# Altium PCB UmTRXv2.PcbDoc (part 10 of 25)
Units mm, origin at the board's own origin, x right, y up, seen from the top; angles counter-clockwise.
Board outline 159.5 x 99.5 mm, 6 copper layers (Top Layer, GND, MidLayer1, Mid-Layer 2, InternalPlane2, Bottom Layer), stack 1.526 mm thick; 708 components, 578 nets, 2802 pads, 1408 vias.
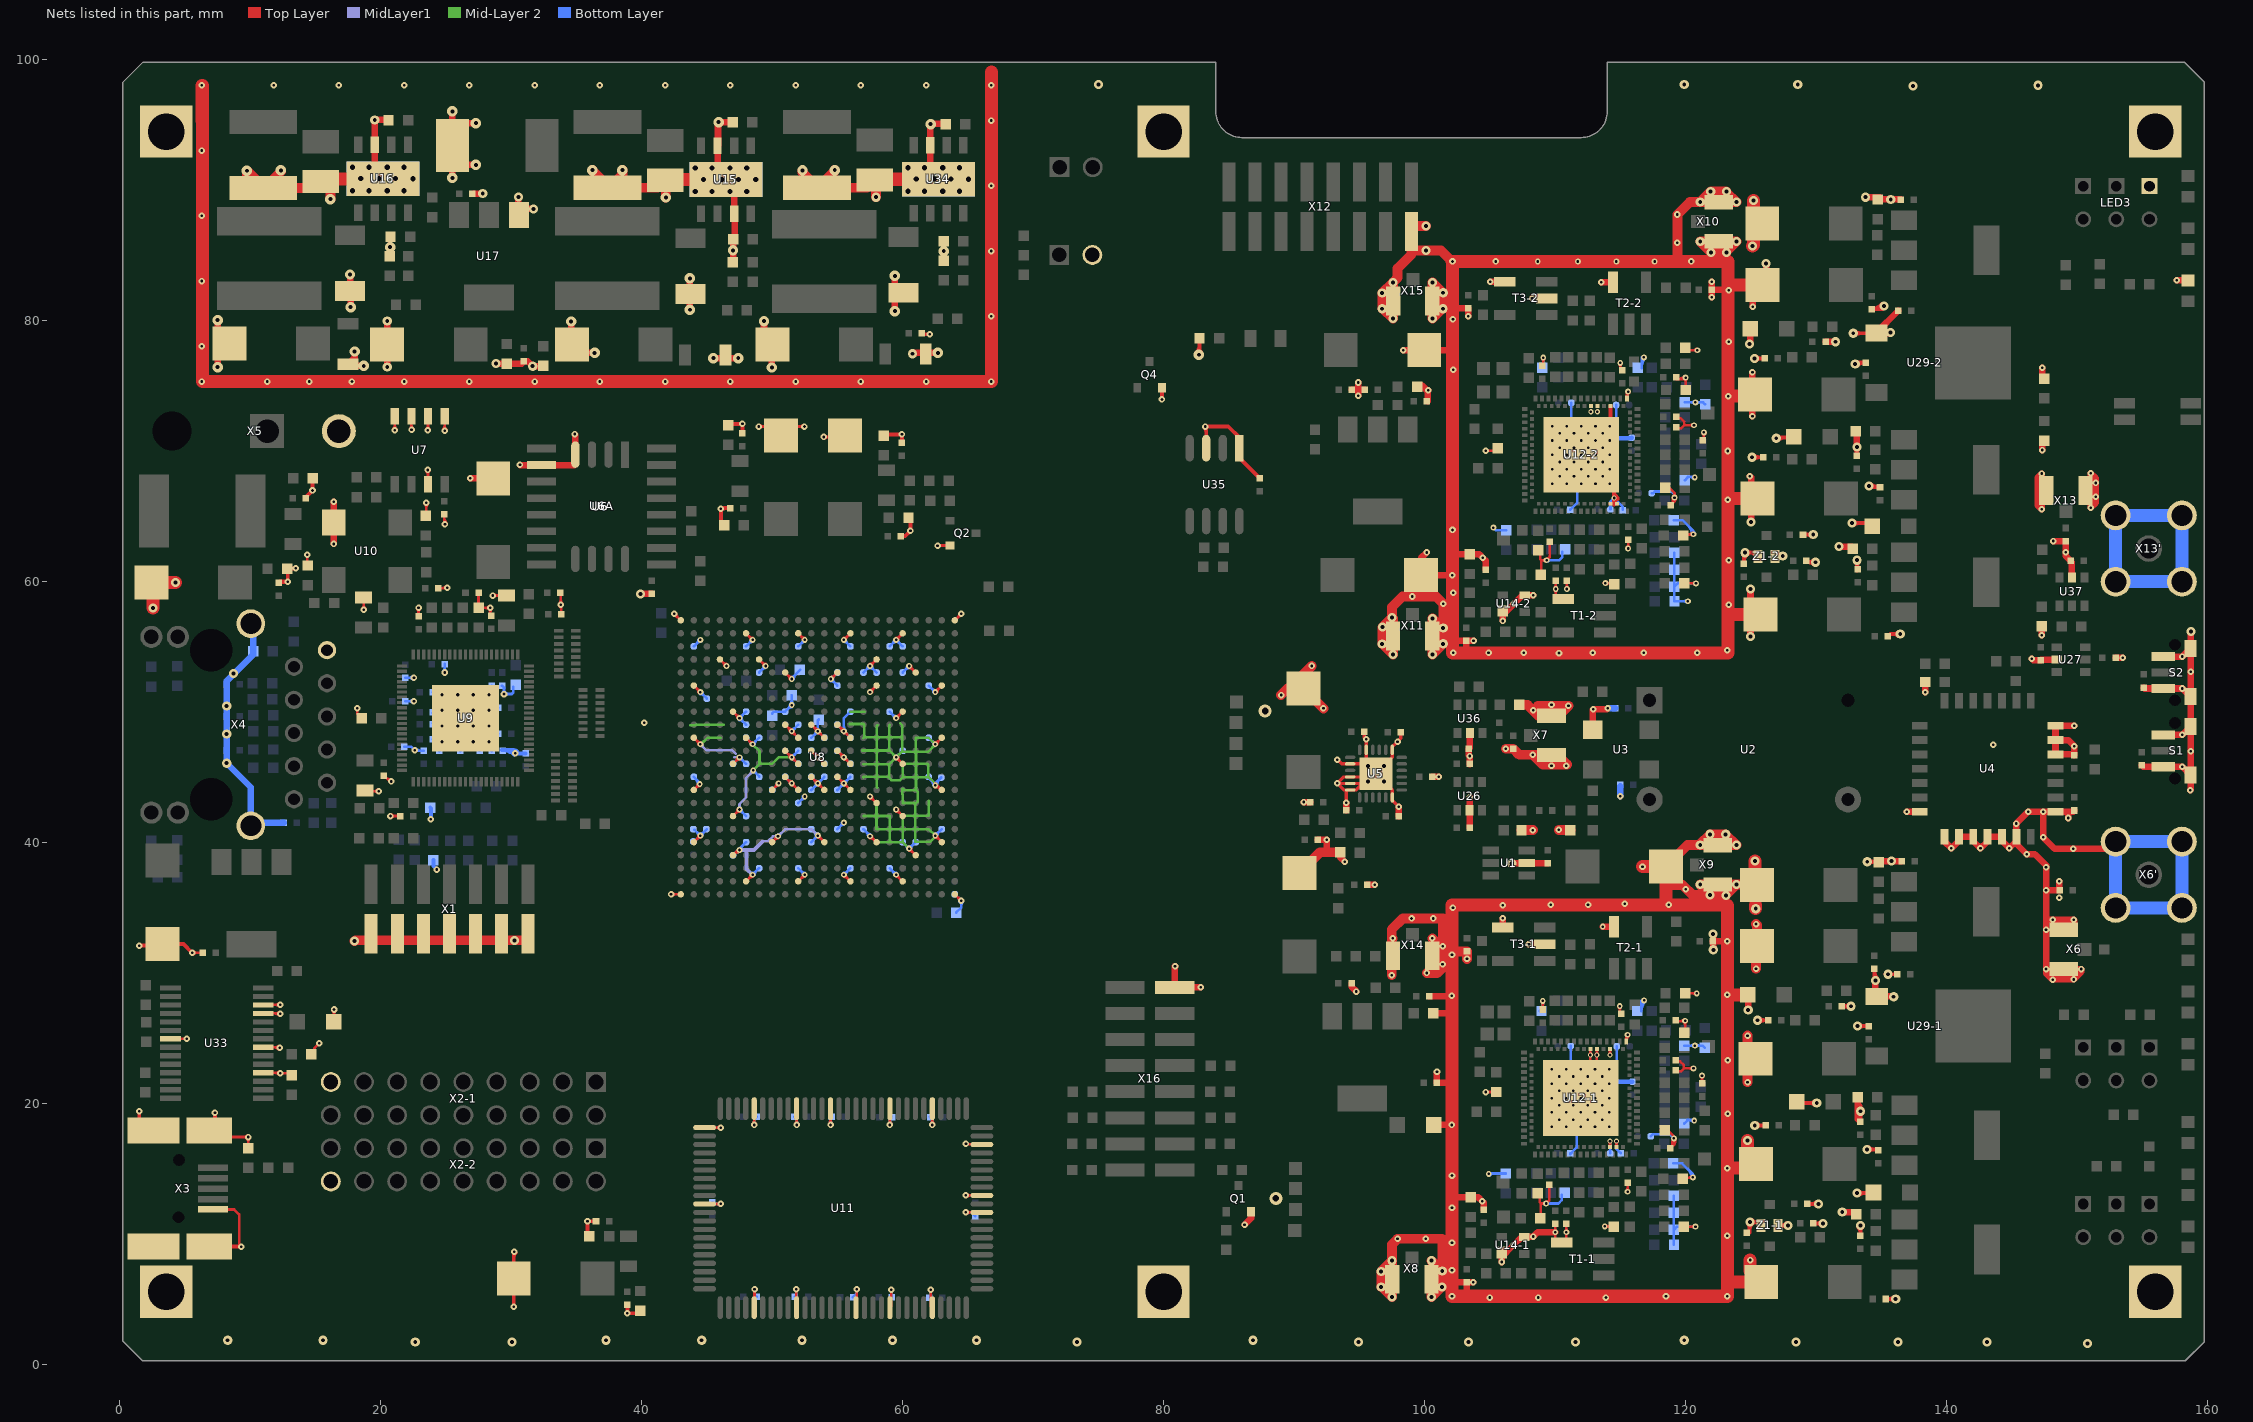
[diagram p14: the nets of this part, all layers, seen from the top]

## Via types
v1: diameter 0.5, hole 0.2, Top Layer to Bottom Layer, tented both sides, 441 vias
v2: diameter 0.45, hole 0.2, Top Layer to Bottom Layer, tented both sides, 429 vias
v3: diameter 0.7, hole 0.3, Top Layer to Bottom Layer, tented both sides, 258 vias
v4: diameter 0.4, hole 0.2, Top Layer to Bottom Layer, tented both sides, 197 vias
v5: diameter 0.8, hole 0.3, Top Layer to Bottom Layer, tented both sides, 61 vias
v6: diameter 0.6, hole 0.25, Top Layer to Bottom Layer, tented both sides, 16 vias
v7: diameter 0.6, hole 0.3, Top Layer to Bottom Layer, tented both sides, 4 vias
v8: diameter 1, hole 0.5, Top Layer to Bottom Layer, tented both sides, 2 vias

## Nets (pads, with @x,y where several pads share a name; then routed paths per layer and width w, separated by ;. In a path a pad name is that pad's centre, name@x,y a point inside that pad or via, vN(x,y) a via of type N, cw(c..) or ccw(c..) an arc to the next point about the centre after c; other vN are vias at no path point) (continued)
GND: (continued)
  Top Layer w0.2: v2@119.912,75.512 cw(c119.698,75.298) 120,75.298 ; 119.961,26.006 cw(c120.263,26.006) v2@120.049,26.22 ; 119.961,26.006 cw(c120.263,26.006) v2@120.049,26.22 ; 119.961,26.006 cw(c120.263,26.006) v2@120.049,26.22 ; 120,75.298 cw(c120.302,75.298) v2@120.088,75.512 ; 120,75.298 cw(c120.302,75.298) v2@120.088,75.512 ; 120,75.298 cw(c120.302,75.298) v2@120.088,75.512 ; 120.211,14.288 ccw(c120.211,14.659) v2@120.473,14.397 ; 120.211,14.288 ccw(c120.211,14.659) v2@120.473,14.397 ; 120.211,14.288 ccw(c120.211,14.659) v2@120.473,14.397 ; 120.25,63.58 ccw(c120.25,63.95) v2@120.512,63.688 ; 120.25,63.58 ccw(c120.25,63.95) v2@120.512,63.688 ; 120.25,63.58 ccw(c120.25,63.95) v2@120.512,63.688 ; 120.308,14.288 cw(c120.308,14.055) v2@120.473,14.22 ; 120.308,14.288 cw(c120.308,14.055) v2@120.473,14.22 ; 120.308,14.288 cw(c120.308,14.055) v2@120.473,14.22 ; 120.309,22.658 ccw(c120.309,22.96) v2@120.523,22.747 ; 120.309,22.658 cw(c120.309,22.356) v2@120.523,22.57 ; 120.309,22.658 ccw(c120.309,22.96) v2@120.523,22.747 ; 120.309,22.658 ccw(c120.309,22.96) v2@120.523,22.747 ; 120.309,22.658 cw(c120.309,22.356) v2@120.523,22.57 ; 120.309,22.658 cw(c120.309,22.356) v2@120.523,22.57 ; 120.347,63.58 cw(c120.347,63.347) v2@120.512,63.512 ; 120.347,63.58 cw(c120.347,63.347) v2@120.512,63.512 ; 120.347,63.58 cw(c120.347,63.347) v2@120.512,63.512 ; 120.348,71.95 cw(c120.348,71.648) v2@120.562,71.862 ; 120.348,71.95 ccw(c120.348,72.252) v2@120.562,72.038 ; 120.348,71.95 cw(c120.348,71.648) v2@120.562,71.862 ; 120.348,71.95 ccw(c120.348,72.252) v2@120.562,72.038 ; 120.348,71.95 ccw(c120.348,72.252) v2@120.562,72.038 ; 120.348,71.95 cw(c120.348,71.648) v2@120.562,71.862 ; 120.455,10.538 ccw(c120.455,10.84) v2@120.669,10.626 ; 120.455,10.538 cw(c120.455,10.236) v2@120.669,10.45 ; 120.455,10.538 ccw(c120.455,10.84) v2@120.669,10.626 ; 120.455,10.538 ccw(c120.455,10.84) v2@120.669,10.626 ; 120.455,10.538 cw(c120.455,10.236) v2@120.669,10.45 ; 120.455,10.538 cw(c120.455,10.236) v2@120.669,10.45 ; 120.494,59.83 ccw(c120.494,60.132) v2@120.708,59.918 ; 120.494,59.83 cw(c120.494,59.528) v2@120.708,59.741 ; 120.494,59.83 ccw(c120.494,60.132) v2@120.708,59.918 ; 120.494,59.83 ccw(c120.494,60.132) v2@120.708,59.918 ; 120.494,59.83 cw(c120.494,59.528) v2@120.708,59.741 ; 120.494,59.83 cw(c120.494,59.528) v2@120.708,59.741 ; 120.559,28.408 ccw(c120.559,28.71) v2@120.773,28.497 ; 120.559,28.408 ccw(c120.559,28.71) v2@120.773,28.497 ; 120.559,28.408 ccw(c120.559,28.71) v2@120.773,28.497 ; 120.559,28.408 cw(c120.559,28.106) v2@120.773,28.32 ; 120.559,28.408 cw(c120.559,28.106) v2@120.773,28.32 ; 120.559,28.408 cw(c120.559,28.106) v2@120.773,28.32 ; 120.598,77.7 ccw(c120.598,78.002) v2@120.812,77.788 ; 120.598,77.7 ccw(c120.598,78.002) v2@120.812,77.788 ; 120.598,77.7 ccw(c120.598,78.002) v2@120.812,77.788 ; 120.598,77.7 cw(c120.598,77.398) v2@120.812,77.612 ; 120.598,77.7 cw(c120.598,77.398) v2@120.812,77.612 ; 120.598,77.7 cw(c120.598,77.398) v2@120.812,77.612 ; v2@121.173,22.02 cw(c120.959,21.806) 121.261,21.806 ; v2@121.173,22.02 cw(c120.959,21.806) 121.261,21.806 ; v2@121.173,22.02 cw(c120.959,21.806) 121.261,21.806 ; 121.261,21.806 cw(c121.563,21.806) v2@121.349,22.02 ; 121.261,21.806 cw(c121.563,21.806) v2@121.349,22.02 ; 121.261,21.806 cw(c121.563,21.806) v2@121.349,22.02 ; v2@121.312,71.312 cw(c121.098,71.098) 121.4,71.098 ; v2@121.312,71.312 cw(c121.098,71.098) 121.4,71.098 ; v2@121.312,71.312 cw(c121.098,71.098) 121.4,71.098 ; 121.4,71.098 cw(c121.702,71.098) v2@121.488,71.312 ; 121.4,71.098 cw(c121.702,71.098) v2@121.488,71.312 ; 121.4,71.098 cw(c121.702,71.098) v2@121.488,71.312 ; v1@42.505,57.35 cw(c42.516,57.027) 42.75,57.25 ccw(c42.516,57.027) v1@42.505,57.35 ; U8.D18@47.116,39.116 cw(c47.5,38.732) 47.5,39.275 ccw(c47.5,38.732) U8.D18@47.116,39.116 ; v2@57.5,40.325 cw(c57.5,39.902) 57.799,40.201 ccw(c57.5,39.902) v2@57.5,40.325 ; v2@62.5,44.225 cw(c62.5,43.561) 62.97,44.03 ccw(c62.5,43.561) v2@62.5,44.225 ; 119.579,26.275 ccw(c119.579,26.69) 119.873,26.397 cw(c119.579,26.69) 119.579,26.275
  Top Layer w0.25: v1(62.675,62.725) Q2.2@63.625,62.725 ; v1(93.3,46.325) 93.325,46.325 93.65,46 U5.2@94.3,46 U5.0@95.525,46 ; 93.8,44 v1(93.3,44.5) ; v1@93.987,43.012 93.987,43.937 94.05,44 U5.6@94.3,44 94.759,44 U5.0@95.259,44.5 ; C21.2@95.375,48.45 95.375,47.975 v1@95.525,47.825 ; v1(95.525,47.875) v1@95.525,47.825 ; v7(96.875,45.85) 97.525,46.5 U5.19@97.525,47.075 97.525,47.3 v1(97.925,47.7) 98.175,47.95 C20.2@98.175,48.425 ; v1(98.025,42.7) 97.525,43.2 U5.12@97.525,43.425 97.525,44 U5.0@96.275,45.25 ; X12.15@99,85.35 X12.15@99,86.8 X12.15@99,87.225 ; v1(93.3,44.5) 93.8,45 U5.4@94.3,45 U5.0@95.759,45 ; v1(93.3,44.5) U5.5@94.3,44.5 U5.0@95.259,44.5 ; U5.0@95.259,44.5 U5.0@95.759,45 ; U5.0@95.259,44.5 95.525,44.5 v7(95.675,44.65) U5.0@96.025,45 ; U5.0@95.525,46 U5.0@96.275,45.25 ; U5.0@95.525,46 U5.23@95.525,47.075 v1@95.525,47.825 ; U5.0@95.759,45 96.009,45.25 U5.0@96.275,45.25 ; U5.0@95.759,45 U5.0@96.025,45 ; U5.0@96.025,45 U5.0@96.275,45.25
  Top Layer w0.3: v1(1.5,19.375) 1.5,18.15 1.725,17.925 X3.0@2.375,17.925 ; v1(1.5,32.075) 3.15,32.075 C171.2@3.275,32.2 4.875,32.2 v1(5.55,31.525) ; X3.0@2.35,9.5 X3.0@2.85,9 ; X3.0@2.85,17.9 X3.0@2.95,18 ; X3.0@7.1,9 9.15,9 v1(9.3,9) ; v1(7.3,19.25) 7.3,17.725 X3.0@7.625,17.4 ; v1(12.875,59.95) 12.875,60.975 v1(13.5,60.975) ; C144.2@14.283,66.375 14.2,66.375 v1(14.775,66.95) C152.2@14.775,67.65 ; R132.2@20.725,84.9 v5(20.725,85.6) v5@20.725,85.95 ; v1(30.2,4.4) C168.2@30.2,6.55 30.2,8.55 v1(30.25,8.6) ; C153.2@36,9.8 35.85,9.95 v1(35.85,10.95) C145.2@36.5,10.95 ; C158.2@38.9,4.55 v1(38.9,3.9) 39.7,3.9 C164.2@39.9,4.1 ; C162.2@46.325,64.3 46.075,64.55 v1(46.075,65.55) 46.025,65.6 C156.2@46.775,65.6 ; C151.2@46.625,71.95 46.725,72.05 v1(47.725,72.05) C143.2@47.725,71.4 ; C150.2@58.55,71.15 58.65,71.25 v1(59.95,71.25) C147.2@59.95,70.6 ; C159.2@59.85,63.45 60.2,63.45 v1(60.6,63.85) 60.6,64.7 C161.2@60.45,64.85 ; v3(60.75,77.425) C261.2@61.75,77.425 ; C113.2@61.475,78.925 v1(62.075,78.925) ; R169.2@63.15,84.45 v5(63.15,85.3) C266.2@63.15,86.05 ; v1(79.875,73.925) Q4.2@79.875,74.825 ; v5(82.7,77.35) 82.75,77.4 C269.2@82.75,78.6 ; v1(83.2,71.85) 84.95,71.85 85.8,71 U35.1@85.8,70.197 85.8,69.45 C279.2@87.35,67.9 ; U35.3@83.265,70.191 v1@83.265,71.785 ; U12-2.53@114.246,65.93 114.5,65.93 ; U12-2.93@114.246,73.43 114.246,72.3 U12-2.0@111.996,69.68 114.55,66.95 U12-2.0@114.5,66.9 ; 114.606,66.155 ccw(c114.415,66.368) 114.7,66.353 ccw(c114.415,66.366) 114.626,66.558 ; U12-2.55@114.746,65.93 114.5,65.93 ; C46-2.2@124.49,61.376 124.49,62.064 124.46,62.094 v3(124.547,62.181) 125.135,62.181 Z1-2.2@125.39,61.926 ; v3@124.86,10.799 v3(124.947,10.886) 125.535,10.886 Z1-1.2@125.79,10.631 ; C46-1.2@124.89,10.081 v3@124.89,10.769 ; v3(125.101,69.494) C49-2.2@125.944,69.494 ; v3(125.275,77.066) C47-2.2@126.096,77.066 ; v3(125.301,18.295) C49-1.2@126.144,18.295 ; v3(125.525,26.353) C47-1.2@126.346,26.353 ; Z1-2.2@126.69,61.926 127.443,61.926 v3(127.448,61.921) ; v3(126.95,70.95) 127,71 C66-2.2@128.3,71 ; Z1-1.2@127.09,10.631 127.843,10.631 v3(127.848,10.626) ; C66-1.2@128.7,20 v3(130.05,20) ; C44-2.2@128.94,63.576 129.779,63.576 v3(129.788,63.567) ; C48-2.2@129.264,61.45 v3(129.95,61.45) ; C44-1.2@129.34,12.281 130.179,12.281 v3(130.188,12.272) ; v3@129.726,61.376 129.744,61.358 v3@129.787,61.358 ; C48-1.2@129.79,10.781 130.476,10.781 130.494,10.763 v3(130.538,10.763) ; C50-1.2@131.964,27.424 132.634,27.424 v3(132.677,27.424) ; v3(132.75,64.45) 134.05,64.45 C65-2.2@134.3,64.2 ; v3(132.85,79) 135.65,79 v3(135.7,79.05) ; v3@132.965,70.184 v3@132.983,70.202 ; v3@133.094,76.758 C55-2.2@133.85,76.758 ; C71-2.2@133.125,69.575 C71-2.2@133.125,69.6 v3(133.125,70.275) v3@133.125,70.358 ; C70-2.2@133.14,60.826 133.14,61.519 133.143,61.521 v3(133.143,61.608) ; v3(133.15,13.1) C65-1.2@134.4,13.1 ; v3(133.166,25.92) 133.188,25.898 C55-1.2@133.944,25.898 ; v3@133.2,19.377 v3(133.408,19.377) 133.39,19.36 C71-1.2@133.39,18.577 ; C70-1.2@133.39,9.831 133.39,10.523 133.393,10.526 v3(133.393,10.612) ; v3(133.9,16.45) 134.7,16.45 C57-1.2@134.75,16.4 ; v3(133.925,38.5) 134.098,38.5 R98-1.1@134.768,38.5 ; v3(134.05,67.3) 134.15,67.2 C57-2.2@134.9,67.2 ; C58-1.2@134.477,30.311 134.477,29.473 v3(134.55,29.4) ; v3@135.093,80.85 C58-2.2@134.25,80.85 ; v3@135.325,29.875 v3(135.5,29.875) C69-1.2@136.225,29.875 ; C56-1.2@135.348,4.989 v3(136.104,4.989) ; C56-2.2@135.698,55.944 v3(136.454,55.944) ; 30.2,8.238 cw(c30.612,8.238) v1@30.321,8.529 ; 30.2,8.238 cw(c30.612,8.238) v1@30.321,8.529 ; 30.2,8.238 cw(c30.612,8.238) v1@30.321,8.529 ; v1@46.146,65.479 cw(c46.437,65.188) 46.437,65.6 ; v1@46.146,65.479 cw(c46.437,65.188) 46.437,65.6 ; v1@46.146,65.479 cw(c46.437,65.188) 46.437,65.6 ; v3@60.891,77.284 cw(c61.233,76.942) 61.233,77.425 ; v3@60.891,77.284 cw(c61.233,76.942) 61.233,77.425 ; v3@60.891,77.284 cw(c61.233,76.942) 61.233,77.425 ; v3@60.891,77.566 ccw(c61.233,77.908) 61.233,77.425 ; v3@60.891,77.566 ccw(c61.233,77.908) 61.233,77.425 ; v3@60.891,77.566 ccw(c61.233,77.908) 61.233,77.425 ; v5@82.523,77.527 ccw(c81.976,78.074) 82.75,78.074 ; v5@82.523,77.527 ccw(c81.976,78.074) 82.75,78.074 ; v5@82.523,77.527 ccw(c81.976,78.074) 82.75,78.074 ; 82.75,77.833 ccw(c83.183,77.833) v5@82.877,77.527 ; 82.75,77.833 ccw(c83.183,77.833) v5@82.877,77.527 ; 82.75,77.833 ccw(c83.183,77.833) v5@82.877,77.527 ; v1@83.129,71.779 cw(c82.802,71.452) 83.265,71.452 ; v1@83.129,71.779 cw(c82.802,71.452) 83.265,71.452 ; v1@83.129,71.779 cw(c82.802,71.452) 83.265,71.452 ; 114.5,65.93 U12-2.0@114.5,66.9 ; U12-2.0@114.5,66.9 ccw(c115.104,66.9) 114.777,66.392 cw(c115.104,66.9) U12-2.0@114.5,66.9 ; v3@124.405,62.04 cw(c124.2,61.835) 124.49,61.835 ; v3@124.405,62.04 cw(c124.2,61.835) 124.49,61.835 ; v3@124.405,62.04 cw(c124.2,61.835) 124.49,61.835 ; C46-2.2@124.49,61.562 cw(c125.166,61.562) v3@124.688,62.04 ; C46-2.2@124.49,61.562 cw(c125.166,61.562) v3@124.688,62.04 ; C46-2.2@124.49,61.562 cw(c125.166,61.562) v3@124.688,62.04 ; v3@124.688,62.04 cw(c125.03,61.698) 125.03,62.181 ; v3@124.688,62.04 cw(c125.03,61.698) 125.03,62.181 ; v3@124.688,62.04 cw(c125.03,61.698) 125.03,62.181 ; v3@124.688,62.323 ccw(c125.03,62.664) 125.03,62.181 ; v3@124.688,62.323 ccw(c125.03,62.664) 125.03,62.181 ; v3@124.688,62.323 ccw(c125.03,62.664) 125.03,62.181 ; v3@124.805,10.744 cw(c124.6,10.539) 124.89,10.539 ; v3@124.805,10.744 cw(c124.6,10.539) 124.89,10.539 ; v3@124.805,10.744 cw(c124.6,10.539) 124.89,10.539 ; C46-1.2@124.89,10.266 cw(c125.566,10.266) v3@125.088,10.744 ; C46-1.2@124.89,10.266 cw(c125.566,10.266) v3@125.088,10.744 ; C46-1.2@124.89,10.266 cw(c125.566,10.266) v3@125.088,10.744 ; v3@125.088,10.744 cw(c125.43,10.403) 125.43,10.886 ; v3@125.088,10.744 cw(c125.43,10.403) 125.43,10.886 ; v3@125.088,10.744 cw(c125.43,10.403) 125.43,10.886 ; v3@125.088,11.027 ccw(c125.43,11.369) 125.43,10.886 ; v3@125.088,11.027 ccw(c125.43,11.369) 125.43,10.886 ; v3@125.088,11.027 ccw(c125.43,11.369) 125.43,10.886 ; v3@125.243,69.353 cw(c125.584,69.011) 125.584,69.494 ; v3@125.243,69.353 cw(c125.584,69.011) 125.584,69.494 ; v3@125.243,69.353 cw(c125.584,69.011) 125.584,69.494 ; v3@125.243,69.635 ccw(c125.584,69.977) 125.584,69.494 ; v3@125.243,69.635 ccw(c125.584,69.977) 125.584,69.494 ; v3@125.243,69.635 ccw(c125.584,69.977) 125.584,69.494 ; v3@125.416,76.924 cw(c125.758,76.582) 125.758,77.066 ; v3@125.416,76.924 cw(c125.758,76.582) 125.758,77.066 ; v3@125.416,76.924 cw(c125.758,76.582) 125.758,77.066 ; v3@125.416,77.207 ccw(c125.757,77.548) 125.757,77.066 ; v3@125.416,77.207 ccw(c125.757,77.548) 125.757,77.066 ; v3@125.416,77.207 ccw(c125.757,77.548) 125.757,77.066 ; v3@125.443,18.153 cw(c125.784,17.812) 125.784,18.295 ; v3@125.443,18.153 cw(c125.784,17.812) 125.784,18.295 ; v3@125.443,18.153 cw(c125.784,17.812) 125.784,18.295 ; v3@125.443,18.436 ccw(c125.784,18.778) 125.784,18.295 ; v3@125.443,18.436 ccw(c125.784,18.778) 125.784,18.295 ; v3@125.443,18.436 ccw(c125.784,18.778) 125.784,18.295 ; v3@125.666,26.211 cw(c126.008,25.869) 126.008,26.353 ; v3@125.666,26.211 cw(c126.008,25.869) 126.008,26.353 ; v3@125.666,26.211 cw(c126.008,25.869) 126.008,26.353 ; v3@125.666,26.494 ccw(c126.007,26.835) 126.007,26.353 ; v3@125.666,26.494 ccw(c126.007,26.835) 126.007,26.353 ; v3@125.666,26.494 ccw(c126.007,26.835) 126.007,26.353 ; Z1-2.2@126.953,61.926 cw(c126.953,61.426) v3@127.307,61.78 ; Z1-2.2@126.953,61.926 cw(c126.953,61.426) v3@127.307,61.78 ; Z1-2.2@126.953,61.926 cw(c126.953,61.426) v3@127.307,61.78 ; Z1-2.2@126.978,61.926 ccw(c126.978,62.391) v3@127.307,62.062 ; Z1-2.2@126.978,61.926 ccw(c126.978,62.391) v3@127.307,62.062 ; Z1-2.2@126.978,61.926 ccw(c126.978,62.391) v3@127.307,62.062 ; v3@127.091,70.809 cw(c127.554,70.346) 127.554,71 ; v3@127.091,70.809 cw(c127.554,70.346) 127.554,71 ; v3@127.091,70.809 cw(c127.554,70.346) 127.554,71 ; v3@127.091,71.091 ccw(c127.312,71.312) 127.312,71 ; v3@127.091,71.091 ccw(c127.312,71.312) 127.312,71 ; v3@127.091,71.091 ccw(c127.312,71.312) 127.312,71 ; Z1-1.2@127.353,10.631 cw(c127.353,10.13) v3@127.707,10.484 ; Z1-1.2@127.353,10.631 cw(c127.353,10.13) v3@127.707,10.484 ; Z1-1.2@127.353,10.631 cw(c127.353,10.13) v3@127.707,10.484 ; Z1-1.2@127.378,10.631 ccw(c127.378,11.096) v3@127.707,10.767 ; Z1-1.2@127.378,10.631 ccw(c127.378,11.096) v3@127.707,10.767 ; Z1-1.2@127.378,10.631 ccw(c127.378,11.096) v3@127.707,10.767 ; 129.283,63.576 cw(c129.283,63.062) v3@129.646,63.426 ; 129.283,63.576 cw(c129.283,63.062) v3@129.646,63.426 ; 129.283,63.576 cw(c129.283,63.062) v3@129.646,63.426 ; 129.327,63.576 ccw(c129.327,64.028) v3@129.646,63.709 ; 129.327,63.576 ccw(c129.327,64.028) v3@129.646,63.709 ; 129.327,63.576 ccw(c129.327,64.028) v3@129.646,63.709 ; C48-2.2@129.467,61.45 ccw(c129.467,61.933) v3@129.809,61.591 ; C48-2.2@129.467,61.45 ccw(c129.467,61.933) v3@129.809,61.591 ; C48-2.2@129.467,61.45 ccw(c129.467,61.933) v3@129.809,61.591 ; C48-2.2@129.467,61.45 cw(c129.467,60.967) v3@129.809,61.309 ; C48-2.2@129.467,61.45 cw(c129.467,60.967) v3@129.809,61.309 ; C48-2.2@129.467,61.45 cw(c129.467,60.967) v3@129.809,61.309 ; 129.567,20 ccw(c129.567,20.483) v3@129.909,20.141 ; 129.567,20 ccw(c129.567,20.483) v3@129.909,20.141 ; 129.567,20 ccw(c129.567,20.483) v3@129.909,20.141 ; 129.567,20 cw(c129.567,19.517) v3@129.909,19.859 ; 129.567,20 cw(c129.567,19.517) v3@129.909,19.859 ; 129.567,20 cw(c129.567,19.517) v3@129.909,19.859 ; 129.683,12.281 cw(c129.683,11.767) v3@130.046,12.13 ; 129.683,12.281 cw(c129.683,11.767) v3@130.046,12.13 ; 129.683,12.281 cw(c129.683,11.767) v3@130.046,12.13 ; 129.727,12.281 ccw(c129.727,12.733) v3@130.046,12.413 ; 129.727,12.281 ccw(c129.727,12.733) v3@130.046,12.413 ; 129.727,12.281 ccw(c129.727,12.733) v3@130.046,12.413 ; C48-1.2@130.011,10.781 cw(c130.011,10.236) v3@130.396,10.621 ; C48-1.2@130.011,10.781 cw(c130.011,10.236) v3@130.396,10.621 ; C48-1.2@130.011,10.781 cw(c130.011,10.236) v3@130.396,10.621 ; 130.098,10.781 ccw(c130.098,11.202) v3@130.396,10.904 ; 130.098,10.781 ccw(c130.098,11.202) v3@130.396,10.904 ; 130.098,10.781 ccw(c130.098,11.202) v3@130.396,10.904 ; C50-1.2@132.194,27.424 cw(c132.194,26.941) v3@132.536,27.283 ; C50-1.2@132.194,27.424 cw(c132.194,26.941) v3@132.536,27.283 ; C50-1.2@132.194,27.424 ccw(c132.194,27.907) v3@132.536,27.566 ; C50-1.2@132.194,27.424 ccw(c132.194,27.907) v3@132.536,27.566 ; C50-1.2@132.194,27.424 cw(c132.194,26.941) v3@132.536,27.283 ; C50-1.2@132.194,27.424 ccw(c132.194,27.907) v3@132.536,27.566 ; v3@132.891,64.309 cw(c133.233,63.967) 133.233,64.45 ; v3@132.891,64.309 cw(c133.233,63.967) 133.233,64.45 ; v3@132.891,64.309 cw(c133.233,63.967) 133.233,64.45 ; v3@132.891,64.591 ccw(c133.233,64.933) 133.233,64.45 ; v3@132.891,64.591 ccw(c133.233,64.933) 133.233,64.45 ; v3@132.891,64.591 ccw(c133.233,64.933) 133.233,64.45 ; v3@132.984,70.134 cw(c132.642,69.792) C71-2.2@133.125,69.792 ; v3@132.984,70.134 cw(c132.642,69.792) C71-2.2@133.125,69.792 ; v3@132.984,70.134 cw(c132.642,69.792) C71-2.2@133.125,69.792 ; v3@132.991,78.859 cw(c133.333,78.517) 133.333,79 ; v3@132.991,78.859 cw(c133.333,78.517) 133.333,79 ; v3@132.991,78.859 cw(c133.333,78.517) 133.333,79 ; v3@132.991,79.141 ccw(c133.333,79.483) 133.333,79 ; v3@132.991,79.141 ccw(c133.333,79.483) 133.333,79 ; v3@132.991,79.141 ccw(c133.333,79.483) 133.333,79 ; v3@133.001,61.466 cw(c132.665,61.131) C70-2.2@133.14,61.131 ; v3@133.001,61.466 cw(c132.665,61.131) C70-2.2@133.14,61.131 ; v3@133.001,61.466 cw(c132.665,61.131) C70-2.2@133.14,61.131 ; C71-2.2@133.125,69.792 cw(c133.608,69.792) v3@133.266,70.134 ; C71-2.2@133.125,69.792 cw(c133.608,69.792) v3@133.266,70.134 ; C71-2.2@133.125,69.792 cw(c133.608,69.792) v3@133.266,70.134 ; C70-2.2@133.14,61.119 cw(c133.631,61.119) v3@133.284,61.466 ; C70-2.2@133.14,61.119 cw(c133.631,61.119) v3@133.284,61.466 ; C70-2.2@133.14,61.119 cw(c133.631,61.119) v3@133.284,61.466 ; v3@133.141,76.509 cw(c133.744,75.906) C55-2.2@133.744,76.758 ; v3@133.141,76.509 cw(c133.744,75.906) C55-2.2@133.744,76.758 ; v3@133.141,76.509 cw(c133.744,75.906) C55-2.2@133.744,76.758 ; v3@133.251,10.471 cw(c132.915,10.135) 133.39,10.135 ; v3@133.251,10.471 cw(c132.915,10.135) 133.39,10.135 ; v3@133.251,10.471 cw(c132.915,10.135) 133.39,10.135 ; v3@133.266,19.236 cw(c132.967,18.936) 133.39,18.936 ; v3@133.266,19.236 cw(c132.967,18.936) 133.39,18.936 ; v3@133.266,19.236 cw(c132.967,18.936) 133.39,18.936 ; v3@133.291,12.959 cw(c133.633,12.617) 133.633,13.1 ; v3@133.291,12.959 cw(c133.633,12.617) 133.633,13.1 ; v3@133.291,12.959 cw(c133.633,12.617) 133.633,13.1 ; v3@133.291,13.241 ccw(c133.633,13.583) 133.633,13.1 ; v3@133.291,13.241 ccw(c133.633,13.583) 133.633,13.1 ; v3@133.291,13.241 ccw(c133.633,13.583) 133.633,13.1 ; v3@133.308,25.778 cw(c133.597,25.489) 133.597,25.898 ; v3@133.308,25.778 cw(c133.597,25.489) 133.597,25.898 ; v3@133.308,25.778 cw(c133.597,25.489) 133.597,25.898 ; v3@133.308,26.061 ccw(c133.701,26.455) 133.701,25.898 ; v3@133.308,26.061 ccw(c133.701,26.455) 133.701,25.898 ; v3@133.308,26.061 ccw(c133.701,26.455) 133.701,25.898 ; 133.39,10.124 cw(c133.881,10.124) v3@133.534,10.471 ; 133.39,10.124 cw(c133.881,10.124) v3@133.534,10.471 ; 133.39,10.124 cw(c133.881,10.124) v3@133.534,10.471 ; 133.39,18.853 cw(c133.932,18.853) v3@133.549,19.236 ; 133.39,18.853 cw(c133.932,18.853) v3@133.549,19.236 ; 133.39,18.853 cw(c133.932,18.853) v3@133.549,19.236 ; v3@134.041,16.309 cw(c134.383,15.967) 134.383,16.45 ; v3@134.041,16.309 cw(c134.383,15.967) 134.383,16.45 ; v3@134.041,16.309 cw(c134.383,15.967) 134.383,16.45 ; v3@134.041,16.591 ccw(c134.383,16.933) 134.383,16.45 ; v3@134.041,16.591 ccw(c134.383,16.933) 134.383,16.45 ; v3@134.041,16.591 ccw(c134.383,16.933) 134.383,16.45 ; v3@134.066,38.359 cw(c134.408,38.017) R98-1.1@134.408,38.5 ; v3@134.066,38.359 cw(c134.408,38.017) R98-1.1@134.408,38.5 ; v3@134.066,38.359 cw(c134.408,38.017) R98-1.1@134.408,38.5 ; v3@134.066,38.641 ccw(c134.408,38.983) R98-1.1@134.408,38.5 ; v3@134.066,38.641 ccw(c134.408,38.983) R98-1.1@134.408,38.5 ; v3@134.066,38.641 ccw(c134.408,38.983) R98-1.1@134.408,38.5 ; v3@134.191,67.441 ccw(c134.774,68.024) C57-2.2@134.774,67.2 ; v3@134.191,67.441 ccw(c134.774,68.024) C57-2.2@134.774,67.2 ; v3@134.191,67.441 ccw(c134.774,68.024) C57-2.2@134.774,67.2 ; C58-2.2@134.25,80.85 ccw(c134.25,81.878) v3@135.045,81.227 ; C58-2.2@134.25,80.85 ccw(c134.25,81.878) v3@135.045,81.227 ; C58-2.2@134.25,80.85 ccw(c134.25,81.878) v3@135.045,81.227 ; 134.477,30.059 ccw(c135.209,30.059) v3@134.691,29.541 ; 134.477,30.059 ccw(c135.209,30.059) v3@134.691,29.541 ; 134.477,30.059 ccw(c135.209,30.059) v3@134.691,29.541 ; 134.666,80.954 cw(c134.864,80.679) v3@135.075,80.944 ; 134.666,80.954 cw(c134.864,80.679) v3@135.075,80.944 ; 134.666,80.954 cw(c134.864,80.679) v3@135.075,80.944 ; 134.883,80.85 ccw(c134.883,81.359) v3@135.277,81.037 ; 134.883,80.85 ccw(c134.883,81.359) v3@135.277,81.037 ; 134.883,80.85 ccw(c134.883,81.359) v3@135.277,81.037 ; U29-2.1@135.096,79 ccw(c135.096,79.654) v3@135.559,79.191 ; U29-2.1@135.096,79 ccw(c135.096,79.654) v3@135.559,79.191 ; U29-2.1@135.096,79 ccw(c135.096,79.654) v3@135.559,79.191 ; U29-2.1@135.338,79 cw(c135.338,78.688) v3@135.559,78.909 ; U29-2.1@135.338,79 cw(c135.338,78.688) v3@135.559,78.909 ; U29-2.1@135.338,79 cw(c135.338,78.688) v3@135.559,78.909 ; 135.621,4.989 ccw(c135.621,5.472) v3@135.962,5.131 ; 135.621,4.989 ccw(c135.621,5.472) v3@135.962,5.131 ; 135.621,4.989 ccw(c135.621,5.472) v3@135.962,5.131 ; 135.621,4.989 cw(c135.621,4.507) v3@135.962,4.848 ; 135.621,4.989 cw(c135.621,4.507) v3@135.962,4.848 ; 135.621,4.989 cw(c135.621,4.507) v3@135.962,4.848 ; 135.971,55.944 ccw(c135.971,56.427) v3@136.312,56.086 ; 135.971,55.944 ccw(c135.971,56.427) v3@136.312,56.086 ; 135.971,55.944 ccw(c135.971,56.427) v3@136.312,56.086 ; 135.971,55.944 cw(c135.971,55.461) v3@136.312,55.803 ; 135.971,55.944 cw(c135.971,55.461) v3@136.312,55.803 ; 135.971,55.944 cw(c135.971,55.461) v3@136.312,55.803 ; 114.5,65.861 cw(c114.998,65.861) 114.773,66.305 ccw(c114.998,65.861) 114.5,65.861
  Top Layer w0.35: C157.2@12.175,59.875 12.25,59.95 v1(12.875,59.95)
  Top Layer w0.5: v5(7.5,76.4) 7.5,77.3 C140.2@8.4,78.2 7.5,79.1 v5(7.5,80) ; v1(16.4,62.85) 16.41,62.86 U10.2@16.41,64.5 16.41,66.09 v1(16.4,66.1) ; v5(17.65,83.5) D2.2@17.65,82.24 17.7,82.19 v5(17.7,81) ; v5(18,77.6) 18,77.125 C137.2@17.5,76.625 17.625,76.5 v5(18.7,76.5) ; U16.0@20.183,90.834 19.548,91.469 U16.7@19.548,93.439 v3(19.548,95.348) 19.575,95.375 20.475,95.375 R129.1@20.525,95.325 ; v3(20.5,76.425) C138.2@20.5,78.15 v3(20.5,79.925) ; v5(25.5,90.9) D4.1@25.5,91.9 ; v5(25.5,96) D4.1@25.5,95.1 ; v1(26.85,67.875) C38.2@28.625,67.875 ; C120.2@27.15,89.7 v3(27.825,89.7) ; v5(27.3,91.9) D4.1@25.5,91.9 ; v5(27.3,95.1) D4.1@25.5,95.1 ; v3@28.825,76.7 v3(28.85,76.675) C154.2@29.65,76.675 30.8,76.675 C148.2@30.975,76.85 31.275,76.85 v3(31.65,76.475) 32.45,76.475 R138.2@32.475,76.5 ; v3(30.55,89.45) 30.55,88.525 v3(31.725,88.525) ; v1@30.7,68.9 U6A.10@32.325,68.9 U6.4@34.85,68.9 ; v5(34.6,79.9) 34.6,78.175 C141.2@34.65,78.125 35.275,77.5 v5(36.4,77.5) ; U6.4@34.92,69.7 v1@34.92,71.23 ; v3(39.925,59.025) 39.95,59.05 C25.2@40.775,59.05 ; v5(43.7,80.8) v5(43.7,83.2) ; v5(45.5,77.1) v5(47.4,77.1) ; R128.1@46.8,95.175 v5(45.9,95.175) 45.85,95.125 45.85,93.415 U15.7@45.815,93.38 45.815,91.41 U15.0@46.45,90.775 47.085,90.14 U15.3@47.085,88.17 ; R131.2@47,84.5 47.015,84.515 C128.2@47.015,86.218 47.143,86.346 U15.3@47.143,88.129 ; v5(49.375,79.925) 49.375,78.575 49.975,77.975 v5(49.975,76.375) ; v5(59.4,80.7) v5(59.4,83.4) ; v3(60.75,77.425) 60.825,77.5 v5(62.7,77.5) ; U34.0@62.75,90.8 62.115,91.435 U34.7@62.115,93.405 62.125,93.415 62.125,95 v5(62.15,95.025) 62.175,95.05 R168.1@63.3,95.05 ; v1(80.875,30.5) 80.85,30.475 X16.15@80.85,28.875 v1(82.85,28.875) ; v1(86.2,10.675) 86.7,11.175 Q1.2@86.7,11.675 ; v1(90.725,43.075) 90.75,43.05 C18.2@91.25,43.05 ; C24.2@91.8,40.175 v1(92.5,40.175) ; 92.5,39.225 v1(92.5,40.175) ; C19.2@93.525,39.225 93.525,38.85 v1(93.875,38.5) ; C15.1@93.987,42.45 93.987,43.012 v1(94,43.025) ; C7.2@94.4,29.175 94.4,28.925 v1(94.775,28.55) ; C127.2@94.425,74.675 94.925,74.675 ; v1(94.925,74.2) 94.925,74.675 ; v1(94.925,75.225) 94.925,74.675 ; C139.2@95.4,74.675 94.925,74.675 ; C4.2@95.6,36.725 v1(96.175,36.725) ; C14.1@98.025,42 v1(98.025,42.7) ; v1(98.35,77.7) C125.2@99.975,77.7 102.139,77.7 ; v1(99.05,58.825) 99.05,59.783 C146.2@99.731,60.464 ; R135.2@99.425,75 99.8,75 v1@100.225,74.575 ; v1(100.156,62.2) 99.731,61.775 C146.2@99.731,60.464 ; C135.2@100.225,73.8 v1@100.225,74.575 ; v1(100.275,74.625) v1@100.225,74.575 ; C278.2@100.357,28.204 102.079,28.204 v1@102.1,28.225 ; X8.2@100.525,6.5 v3(100.525,7.925) ; C22.2@100.6,45 v1(101.075,45) ; R5.1@100.657,26.904 102.071,26.904 102.1,26.875 ; C12.2@100.8,18.325 v1(102.075,18.325) v1@102.1,18.35 ; v1@100.925,22.375 C13.2@100.925,21.575 102.023,21.575 102.1,21.652 ; 102.1,6.275 ESD3-1.1@103.225,6.275 ; 102.1,12.775 C100-1.1@103.525,12.775 104.125,12.775 v1(104.425,12.475) 104.55,12.35 C67-1.1@104.55,11.825 ; 102.128,60.064 102.139,60.075 ; v1(102.128,60.464) C146.2@99.731,60.464 ; 102.139,55.45 102.164,55.425 ESD3-2.1@103.2,55.425 ; 102.139,62.05 C100-2.1@103.45,62.05 104.2,62.05 v1(104.45,61.8) 104.7,61.55 C67-2.1@104.7,60.875 ; 102.139,80.925 102.164,80.9 ESD5-2.1@103.35,80.9 v1(103.35,80.3) ; 103.2,5.2 103.225,5.225 ESD3-1.1@103.225,6.275 ; 103.25,54.5 103.2,54.55 ESD3-2.1@103.2,55.425 ; C292.1@103.45,45.975 v1(103.45,46.6) 103.4,46.65 C294.1@103.4,47.175 103.475,47.25 U36.2@103.475,48.365 ; C290.2@103.475,41.1 103.475,42.416 U26.2@103.451,42.44 103.451,43.401 v1(103.475,43.425) ; v1(103.725,6.275) ESD3-1.1@103.225,6.275 ; v1(103.75,55.425) ESD3-2.1@103.2,55.425 ; v1(105.025,82.95) 105.03,82.945 T3-2.6@106.15,82.945 ; v1(105.9,7.825) 105.9,8.2 v1(106.8,9.1) 107.475,9.775 v1(108.325,9.775) 108.662,10.112 v2@110.007,10.112 ; v1(105.975,56.95) 105.975,57.4 v1(106.85,58.275) 107.5,58.925 v1(108.325,58.925) ; T3-1.6@106,33.445 v1(106,34.175) ; v3(106.675,38.35) 106.725,38.4 U1.2@107.835,38.4 109.4,38.4 C275.1@109.425,38.375 ; v1(108,32.175) T3-1.2@109.2,32.175 ; v1(108.25,81.675) T3-2.2@109.35,81.675 ; U3.2@112.9,48.623 112.9,50.15 v1(112.925,50.175) 113.95,50.175 v1(114.025,50.25) ; v1(113.525,82.9) T2-2.4@114.43,82.9 ; v2(113.655,33.525) 113.68,33.5 T2-1.4@114.505,33.5 ; v1(122,81.75) ESD4-2.1@122,82.35 ; v1(122,82.95) ESD4-2.1@122,82.35 ; ESD4-1.1@122.1,32.4 ESD4-1.1@122.125,32.4 ; v3(122.1,32.95) 122.125,32.925 ESD4-1.1@122.125,32.4 ; v3(122.125,31.75) ESD4-1.1@122.125,32.4 ; v1(123.208,32.4) ESD4-1.1@122.125,32.4 ; 123.247,82.75 122.847,82.35 ESD4-2.1@122,82.35 ; C64-1.2@124.775,28.3 124.8,28.275 v3(124.8,27.125) ; v3(124.9,78.175) 124.95,78.225 C64-2.2@124.95,79.35 ; v1(124.925,68.05) 125.025,67.95 125.025,66.35 v3(125.025,64.525) ; v3(124.975,55.75) 124.975,57.45 v3(124.975,59.4) ; v1(125.125,72.65) 125.125,74.176 v1(125.125,76) ; v1(125.15,81.025) 125.15,81.95 C54-2.2@125.9,82.7 126.175,82.975 v3(126.175,84.35) ; C50-2.2@130.725,78.35 v3(131.5,78.35) ; v3(131.757,62.647) R96-2.1@132.739,62.647 ; v3(132.007,11.652) R96-1.1@132.989,11.652 ; v3@133.125,70.358 R97-2.1@133.125,71.517 ; C71-1.2@133.2,18.783 133.2,19.377 133.2,20.025 ; v3(133.8,89.425) R98-2.1@134.897,89.425 ; v3(134.55,29.4) 134.55,28.385 134.35,28.185 U29-1.1@134.65,28.185 135.915,28.185 v3(135.95,28.15) ; U29-2.1@134.625,79.02 134.625,79.05 C69-2.2@136.3,80.725 ; R98-1.1@134.7,38.538 v3@135.675,38.538 ; R98-2.1@134.725,89.25 C72-2.2@136.5,89.25 ; v3(135.775,38.55) C72-1.2@136.542,38.55 ; v1(136.95,42.325) U4.21@137.95,42.325 ; v1(138.375,51.475) R66.1@138.375,52.275 ; U4.22@139.85,40.425 139.85,40.05 v1(140.375,39.525) 140.95,40.1 U4.23@140.95,40.425 U4.24@142.05,40.425 142.05,40.075 v1(142.6,39.525) 143.15,40.075 U4.25@143.15,40.425 U4.26@144.25,40.425 144.25,40.1 144.8,39.55 v1(144.8,39.525) U4.27@145.35,40.075 ; v1(146.525,54.05) 146.637,53.938 C291.2@147.205,53.938 147.255,53.988 U27.2@148.445,53.988 ; v1(147.3,55.85) R123.2@147.3,56.55 ; v1(147.325,70.05) 147.325,70.6 R159.1@147.5,70.775 ; v1(147.325,76.35) 147.325,75.7 R153.1@147.5,75.525 ; v1(148.175,63.075) 148.275,63.075 ESD3.2@149.125,63.075 v1(149.125,62.225) 149.125,61.95 C295.1@149.525,61.55 149.613,61.462 U37.2@149.613,60.28 ; v1(148.625,37) ESD1.2@148.625,36.325 ; ESD1.2@148.675,36.325 ESD1.2@148.625,36.325 ; X6.2@148.975,33.275 149.775,33.275 149.775,34.025 v1(149.75,34.05) v1(148.125,34.05) 147.7,34.05 147.625,34.125 ; v1(149.325,41.85) 149.325,42.325 ; v1(149.75,29.475) 148.15,29.475 v1(148.125,29.45) ; v1@149.762,29.488 150.325,30.05 v1(150.325,30.275) X6.2@148.975,30.275 v1(147.625,30.275) ; v1(149.775,48.925) U4.7@148.35,48.925 U4.6@148.35,47.825 ; C10.2@149.8,42.425 149.7,42.325 149.325,42.325 ; C293.1@152.95,54.125 v1(153.5,54.125) ; X6'.2@152.96,39.5 v1(149.7,39.5) 148.275,39.5 v1(147.4,40.375) v1(147.4,42.325) ; C26.2@154.95,45.9 155.075,45.775 S1.2@156.6,45.775 v1(158.075,45.775) S1.4@158.7,45.15 ; C43.1@155.1,51.85 155.175,51.775 S2.2@156.6,51.775 v1(158.075,51.775) S2.4@158.7,51.15 ; S1.2@156.6,48.225 v1(158.075,48.225) S1.3@158.7,48.85 ; S2.2@156.6,54.225 v1(158.075,54.225) S2.3@158.7,54.85 ; v1(157.65,83.05) LED3A'.1@158.5,83.05 ; v1(158.675,43.975) 158.7,44 S1.4@158.7,45.15 ; v3(158.725,56.15) 158.7,56.125 S2.3@158.7,54.85 ; D4.1@25.5,91.9 D4.1@25.5,95.1 ; R97-1.1@133.2,20.12 ccw(c134.15,20.12) v3@133.478,19.448 ; R97-1.1@133.2,20.12 ccw(c134.15,20.12) v3@133.478,19.448 ; R97-1.1@133.2,20.12 ccw(c134.15,20.12) v3@133.478,19.448 ; 133.26,19.825 cw(c132.792,19.555) v3@133.311,19.405 ; 133.26,19.825 cw(c132.792,19.555) v3@133.311,19.405 ; 133.26,19.825 cw(c132.792,19.555) v3@133.311,19.405 ; U4.27@145.35,40.075 U4.27@145.35,40.425 v1(145.35,41.425) v1(146.25,42.325) v1(147.4,42.325) ; U4.27@145.35,40.075 145.35,39.875 v1(146.15,39.075) 146.775,39.075 147.625,38.225 v1(147.625,36.3) ; v1(147.4,42.325) U4.1@148.35,42.325 149.325,42.325 ; v1(147.625,30.275) 147.625,29.95 v1(148.125,29.45) ; v1(147.625,30.275) 148.125,29.775 v1(148.125,29.45) ; v1(147.625,30.275) v1(147.625,33.275) 147.625,34.125 ; 147.625,34.125 v1(147.625,36.3) ; v1(147.625,36.3) 147.65,36.325 ESD1.2@148.625,36.325 ; U4.6@148.35,47.825 U4.5@148.35,46.725 149.725,46.725 C11.2@149.8,46.65 v1(149.8,47.35) 149.325,47.825 U4.6@148.35,47.825 ; S1.4@158.7,45.15 v1(158.7,46.975) S1.3@158.7,48.85 ; S1.3@158.7,48.85 S2.4@158.7,51.15 ; S2.4@158.7,51.15 v1(158.7,53.05) S2.3@158.7,54.85 ; 146.975,65.825 146.975,67.925 v1(147.3,68.25) v1(147.3,65.5) 146.975,65.825 ; v1(151.05,65.625) v1(151.05,68.275) 151.425,67.9 v1(151.425,67.525) v1(151.425,66.475) 151.425,66 v1(151.05,65.625)
  Top Layer w0.75: C116.2@9.75,90.725 v5(9.75,91.45) C116.2@11.075,90.125 ; v5(12.35,91.475) 12.35,91.4 C116.2@11.075,90.125 ; v5(16.15,89.275) 16.15,89.876 C119.2@15.4,90.626 14.899,90.125 C116.2@11.075,90.125 ; v3(18,32.425) 18.05,32.475 19.275,32.475 v3(30.25,32.475) 31.275,32.475 X1.13@31.275,32.975 ; v5(36.225,91.5) 36.225,91.45 C115.2@37.525,90.15 ; v5(38.525,91.5) 38.525,91.15 C115.2@37.525,90.15 ; v5(41.85,89.4) 41.85,90.676 C118.2@41.8,90.726 41.224,90.15 C115.2@37.525,90.15 ; v5(52.325,91.475) 52.325,91.325 C114.2@53.5,90.15 ; v5(54.8,91.5) 54.8,91.45 C114.2@53.5,90.15 ; v3(57.95,89.425) 57.95,90.676 C117.2@57.875,90.751 57.274,90.15 C114.2@53.5,90.15 ; v1(89,51.275) 89.5,51.775 C17.2@90.725,51.775 ; C6.2@90.4,37.65 91.975,39.225 92.5,39.225 C19.2@93.525,39.225 ; v1(91.35,53.5) 90.725,52.875 C17.2@90.725,51.775 ; v1(92.25,50.25) C17.2@90.725,51.775 ; v1(97.475,29.8) v1@97.475,32.55 ; v1(97.55,32.625) v1@97.475,32.55 ; X12.15@99,87.225 v3(100.1,87.225) ; v1(100.175,29.975) 100.975,29.975 101.375,30.375 v1(101.375,30.65) 101.375,32 v1(101.4,32.025) ; X8.2@100.525,6.5 v3(100.525,5.15) 101.275,5.9 v3(101.325,5.9) 101.325,7.1 v3(101.35,7.125) ; v3(100.525,7.925) 101.325,7.125 v3(101.35,7.125) ; v1(100.6,32.625) 101.2,32.025 v1(101.4,32.025) ; v1(102.1,31.375) 102.35,31.625 ESD5-1.1@103.25,31.625 v1(103.25,31.05) ; v1@102.1,84.5 101.25,85.35 v3(100.1,85.35) 99,85.35 99,85.05 97.925,83.975 97.925,83.25 v3(97.575,82.9) ; v1(106.225,47.15) ESD2.2@106.8,47.15 107.25,46.7 v1(108.3,46.7) v1@108.325,46.675 ; R155.2@107.25,50.525 107.9,50.525 v1(108.325,50.1) ; R157.2@107.425,40.925 v1(108.3,40.925) ; v1(110.275,40.95) 110.3,40.925 R12.1@111.175,40.925 ; 118.5,36.725 119.775,36.725 120.55,35.95 v3(121.875,35.95) ; C9.2@118.5,38.125 120.15,39.775 v3(121.125,39.775) ; 119.375,84.5 v1(119.375,85.925) v1(119.375,88.1) 120.325,89.05 v3(121.125,89.05) ; v1(124.75,21.6) 124.75,22.8 C51-1.2@125.35,23.4 124.75,24 v1(124.75,25.175) ; v1(125.4,30.3) 125.4,31.975 C54-1.2@125.475,32.05 125.475,33.65 v1(125.4,33.725) ; C169-1.2@125.475,36.725 125.45,36.75 125.35,36.75 v3(123.9,36.75) ; v1@97.475,32.55 97.475,33.3 98.325,34.15 v1(99,34.15) v1(100.65,34.15) 101.4,34.15 v1(101.4,32.025) ; v3(97.5,7.925) v3(97.5,5.15) 96.75,5.9 v3(96.675,5.9) v3(96.675,7.1) v3(97.5,7.925) ; v3(97.5,7.925) 97.5,9.175 v1(97.925,9.6) v1(100.075,9.6) 101.35,9.6 v3(101.35,7.125) ; v3(97.505,57.228) 97.575,57.158 X11.2@97.575,55.8 v3(97.575,54.375) 96.775,55.175 v3(96.75,55.175) 96.775,55.2 v3(96.775,56.475) 97.505,57.205 v3(97.505,57.228) ; v3(97.505,57.228) 97.505,58.03 98.3,58.825 v1(99.05,58.825) 100.875,58.825 v1(101.425,58.275) v3(101.425,56.4) ; v3(97.575,82.9) v3(96.75,82.075) v3(96.75,80.875) 96.825,80.875 v3(97.575,80.125) v3(97.575,82.9) ; v3(101.425,56.4) v3(101.425,55.2) v3(100.6,54.375) v3(100.6,57.15) 101.35,56.4 v3(101.425,56.4) ; v1@108.325,46.675 109.05,45.95 109.725,45.95 110.925,45.95 110.2,46.675 X7.2@109.725,46.675 v1@108.325,46.675 ; v1(108.325,50.1) 108.75,49.675 X7.2@109.725,49.675 110.25,49.675 v1(111.025,50.45) 109.725,50.45 108.675,50.45 v1(108.325,50.1) ; v3(121.125,39.775) v3(123.9,39.775) v3(123.075,40.6) v3(121.875,40.6) 121.125,39.85 v3(121.125,39.775) ; v3(121.125,89.05) 121.925,89.85 v3(121.925,89.875) 123.125,89.875 v3(123.15,89.85) 123.15,89.8 v3(123.9,89.05) X10.2@122.55,89.05 v3(121.125,89.05) ; v3(121.875,35.95) 123.075,35.95 v3(123.1,35.925) 123.1,35.95 v3(123.9,36.75) ; v3(121.875,35.95) 121.125,36.7 v3(121.125,36.75) X9.2@122.475,36.75 v3(123.9,36.75) ; v3(100.6,80.125) 101.35,80.875 v3(101.4,80.875) 101.425,80.9 v3(101.425,82.1) 101.4,82.1 v3(100.6,82.9) X15.2@100.6,81.475 v3(100.6,80.125) ; v3(121.125,86.025) v3(123.9,86.025) 123.15,85.275 v3(123.15,85.2) v3(121.95,85.2) v3(121.125,86.025)
  Top Layer w1: v3(2.55,57.95) 2.55,59.8 C167.2@2.45,59.9 v3(4.275,59.9) ; 6.325,95.25 v1@6.325,98 ; v1@6.333,75.35 6.333,95.35 ; v1@6.35,75.3 v1(11.3,75.3) v1(14.525,75.3) v1(17.8,75.3) v1(21.8,75.3) v1(26.8,75.3) v1(31.8,75.3) v1(36.8,75.3) v1(41.8,75.3) v1(46.8,75.3) v1(51.8,75.3) v1(56.8,75.3) v1(61.8,75.3) v1(66.8,75.3) v1(66.8,80.3) v1(66.8,85.3) v1(66.8,90.3) v1(66.8,95.3) v1(66.8,98) 66.8,99 ; C119.2@15.4,90.626 15.608,90.834 U16.0@20.183,90.834 ; C118.2@41.8,90.726 41.849,90.775 U15.0@46.45,90.775 ; C117.2@57.875,90.751 57.924,90.8 U34.0@62.75,90.8 ; v1@102.1,84.5 v1(102.139,84.5) ; v1@102.15,54.6 v1@102.15,54.5 ; v1(104.9,54.5) 103.25,54.5 v1(102.2,54.5) v1@102.15,54.5 ; v1(116.7,38.125) C9.2@118.5,38.125 118.5,36.725 118.5,35.425 v1(118.725,35.2) ; 123.25,84.5 123.247,84.5 ; v1@123.285,15.027 C53-1.2@125.89,15.027 ; v1@123.297,66.35 125.025,66.35 C53-2.2@125.9,66.35 ; 123.308,6.3 C52-1.2@125.8,6.3 124.95,7.15 v1(124.95,7.975) ; v3(124.75,17.125) 124.75,16 C53-1.2@125.4,15.35 ; C64-1.2@124.775,28.3 v1(123.208,28.3) ; v3(125.131,85.679) 125.2,85.748 125.2,87.3 125.275,87.375 125.2,87.45 v3(125.2,89.175) ; v3(125.325,38.55) 125.325,36.775 125.35,36.75 125.375,36.725 C169-1.2@125.375,36.675 ; v3(125.375,34.9) v3@125.375,35.175 ; C52-2.2@125.75,57.45 124.975,57.45 123.297,57.45 123.247,57.5 ; C54-2.2@125.9,82.7 123.297,82.7 123.247,82.75 ; C51-2.2@125.99,74.176 125.125,74.176 v1(123.271,74.176) v1@123.247,74.2 ; v1@102.139,54.492 102.139,55.45 102.139,60.075 102.139,62.05 v1(102.139,63.925) 102.139,77.7 102.139,80.925 v1(102.139,84.5) ; v1@102.139,54.492 102.147,54.5 v1@102.15,54.5 ; v1@102.139,54.492 v1@102.15,54.492 ; v1(102.139,84.5) v1(105.45,84.5) v2(108.675,84.5) v2(111.75,84.5) v2(114.7,84.5) v2(117.625,84.5) 119.375,84.5 v1(120.425,84.5) 123.247,84.5 ; v1@102.15,54.492 104.9,54.492 v1(110.3,54.492) 123.247,54.492 123.247,57.5 ; v1@102.15,54.492 v1@102.15,54.5 ; v1(118.725,35.2) 123.15,35.2 123.208,35.142 v1(123.208,32.4) v1(123.208,28.3) ; v1(118.725,35.2) v1(112.525,35.2) v1(109.675,35.2) 102.1,35.2 102.1,34.975 v1(102.1,31.375) 102.1,28.225 102.1,26.875 102.1,21.652 102.1,18.35 v1(102.1,14.45) 102.1,12.775 v1(102.1,11.975) v1(102.1,7.2) 102.1,6.275 v1(102.1,5.2) 103.2,5.2 v1(118.5,5.2) v1(123.208,5.2) v1(123.208,28.3) ; 123.247,57.5 v1(123.247,69.975) v1@123.247,74.2 ; v1@123.247,74.2 123.247,82.75 ; 123.247,82.75 123.247,84.5
  Mid-Layer 2 w0.2: 43.725,48.95 44.075,48.95 44.125,49 46.275,49 ; 44.725,47.675 45.05,48 46.05,48 ; v2(48.5,47.5) 49.03,46.97 49.03,45.98 ; v2(48.55,45.5) 49.03,45.98 ; v2(51.5,46.5) 50.5,46.5 50,46 49.05,46 49.03,45.98 ; 55.95,49.05 57.025,49.05 ; 56,50 57.1,50 ; 56.9,47.025 58.025,47.025 ; 56.975,45.975 58.025,45.975 ; 56.975,47.95 57.05,48.025 ; 57,42 58,42 ; 57,44.95 57,45.025 58.025,45.025 ; 57.05,49.025 57.05,48.025 ; v2(57.5,40.45) 57.55,40.45 58,40 59,40 ; 58,43 58,42 ; 58.05,44.173 58.025,44.198 58.025,45.025 ; 58.075,48.95 58.025,48.9 58.025,48.025 ; 59.025,49 58.975,48.95 58.975,48.025 ; 59.825,49.1 59.975,48.95 59.975,48.025 ; 59.975,44.1 59.975,44.075 ; v2(60.5,39.5) 60,40 ; 61.025,46.875 61.025,46 ; 61.324,44.975 61.025,44.975 ; 61.324,44.975 61.9,44.975 ; 61.9,46 61.025,46 ; 61.95,45.95 61.95,45.025 v2@62.5,44.475 ; 62,43.162 62,42.025 60.975,42.025 ; 57.05,48.025 58.025,48.025 ; 58,42 58,41 59,41 ; 58,42 59,42 59,41 ; 58.025,45.025 58.025,45.975 ; 58.025,45.025 58.875,45.025 58.975,44.925 ; 58.025,45.975 58.025,47.025 ; 58.025,45.975 58.975,45.975 ; 58.025,47.025 58.975,47.025 ; 58.025,47.025 58.025,48.025 ; 58.025,48.025 58.975,48.025 ; 58.975,44.925 58.975,45.975 ; 58.975,44.925 59.15,44.75 59.8,44.75 60,44.95 ; 58.975,45.975 v2(59.5,46.5) ; 58.975,47.025 58.975,48.025 ; 58.975,47.025 v2(59.5,46.5) ; 58.975,48.025 59.975,48.025 ; 59,40 59,41 ; 59,40 60,40 ; 59,41 60,41 ; 59.287,46.287 cw(c59.5,46.073) 59.5,46.375 ccw(c59.5,46.073) 59.287,46.287 ; 59.287,46.287 ccw(c59.073,46.5) v2@59.375,46.5 ; 59.287,46.287 ccw(c59.073,46.5) v2@59.375,46.5 ; 59.287,46.713 ccw(c59.5,46.927) v2@59.5,46.625 ; 59.287,46.713 ccw(c59.5,46.927) v2@59.5,46.625 ; 59.287,46.713 cw(c59.073,46.5) v2@59.375,46.5 ; 59.287,46.713 cw(c59.073,46.5) v2@59.375,46.5 ; v2(59.5,46.5) 59.925,46.925 ; v2(59.5,46.5) 60,46 ; v2@59.5,46.625 ccw(c59.5,46.927) 59.713,46.713 ; v2@59.5,46.625 ccw(c59.5,46.927) 59.713,46.713 ; 59.713,46.713 ccw(c59.927,46.5) 59.625,46.5 cw(c59.927,46.5) 59.713,46.713 ; 59.925,46.925 61,46.925 ; 59.925,46.925 59.975,46.975 59.975,48.025 ; 59.975,44.075 59.975,43.676 60,43.651 60,43 60.9,43 60.975,42.925 ; 59.975,44.075 60.05,44.075 60.15,43.975 61.05,43.975 ; 60,40 60,41 ; 60,41 60.975,41 ; 60,41 60,41.95 60.075,42.025 60.975,42.025 ; 60,44.95 60.025,44.975 60.626,44.975 61.025,44.975 ; 60,44.95 60,46 ; 60,46 61.025,46 ; 60.975,41 60.975,42.025 ; 60.975,41 60.975,40.025 62.1,40.025 62.5,40.425 v2(62.5,40.5) 62,41 60.975,41 ; 60.975,42.025 60.975,42.925 ; 60.975,42.925 61.15,43.1 61.15,43.875 61.05,43.975 ; 61,46.925 61,48 62,48 v2(62.5,47.5) 61.925,46.925 61,46.925 ; 61.025,44.975 61.025,46 ; 61.025,44.975 61.025,44 61.05,43.975 ; 62.287,47.287 cw(c62.5,47.073) 62.5,47.375 ccw(c62.5,47.073) 62.287,47.287 ; 62.287,47.287 ccw(c62.073,47.5) 62.375,47.5 cw(c62.073,47.5) 62.287,47.287 ; v2@44.5,47.625 ccw(c44.5,48.047) 44.799,47.749 cw(c44.5,48.047) v2@44.5,47.625
  MidLayer1 w0.2: v2(44.5,47.5) 44.948,47.052 46.923,47.052 47.2,46.775 ; 47.101,46.5 v2(47.5,46.5) ; v2(47.5,42.5) 47.5,42.925 48,43.425 48,44.9 v2@48.575,45.475 ; 49.25,40.05 49.281,40.081 49.681,40.081 50.05,40.45 v2(50.45,40.45) 50.975,40.975 53.025,40.975 v2(53.5,40.5) ; 44.713,47.287 ccw(c44.5,47.073) 44.5,47.375 cw(c44.5,47.073) 44.713,47.287 ; 44.713,47.287 cw(c44.927,47.5) 44.625,47.5 ccw(c44.927,47.5) 44.713,47.287 ; 47.198,46.5 ccw(c47.198,46.802) 47.412,46.588 cw(c47.198,46.802) 47.198,46.5 ; 47.198,46.5 cw(c47.198,46.198) 47.412,46.412 ccw(c47.198,46.198) 47.198,46.5 ; 47.5,42.802 ccw(c47.802,42.802) 47.588,42.588 cw(c47.802,42.802) 47.5,42.802 ; 47.5,42.802 cw(c47.198,42.802) 47.412,42.588 ccw(c47.198,42.802) 47.5,42.802 ; 50.148,40.45 ccw(c50.148,40.752) 50.362,40.538 cw(c50.148,40.752) 50.148,40.45 ; 50.148,40.45 cw(c50.148,40.148) 50.362,40.362 ccw(c50.148,40.148) 50.148,40.45 ; 50.663,40.663 ccw(c50.877,40.45) 50.575,40.45 cw(c50.877,40.45) 50.663,40.663 ; 50.663,40.663 cw(c50.45,40.877) 50.45,40.575 ccw(c50.45,40.877) 50.663,40.663 ; 53.287,40.713 ccw(c53.5,40.927) 53.5,40.625 cw(c53.5,40.927) 53.287,40.713 ; 53.287,40.713 cw(c53.073,40.5) 53.375,40.5 ccw(c53.073,40.5) 53.287,40.713 ; 48.301,45.201 ccw(c48.003,45.5) 48.425,45.5 cw(c48.003,45.5) 48.301,45.201
  MidLayer1 w0.3: v2(47.5,39.4) 48.05,39.4 ; v2(48.5,37.5) 48.05,37.95 48.05,38.278 48.025,38.303 48.025,39.375 48.05,39.4 ; 49.25,40.05 48.6,39.4 48.05,39.4